# Altium PCB PCB2.PcbDoc (part 2 of 3) (continued)
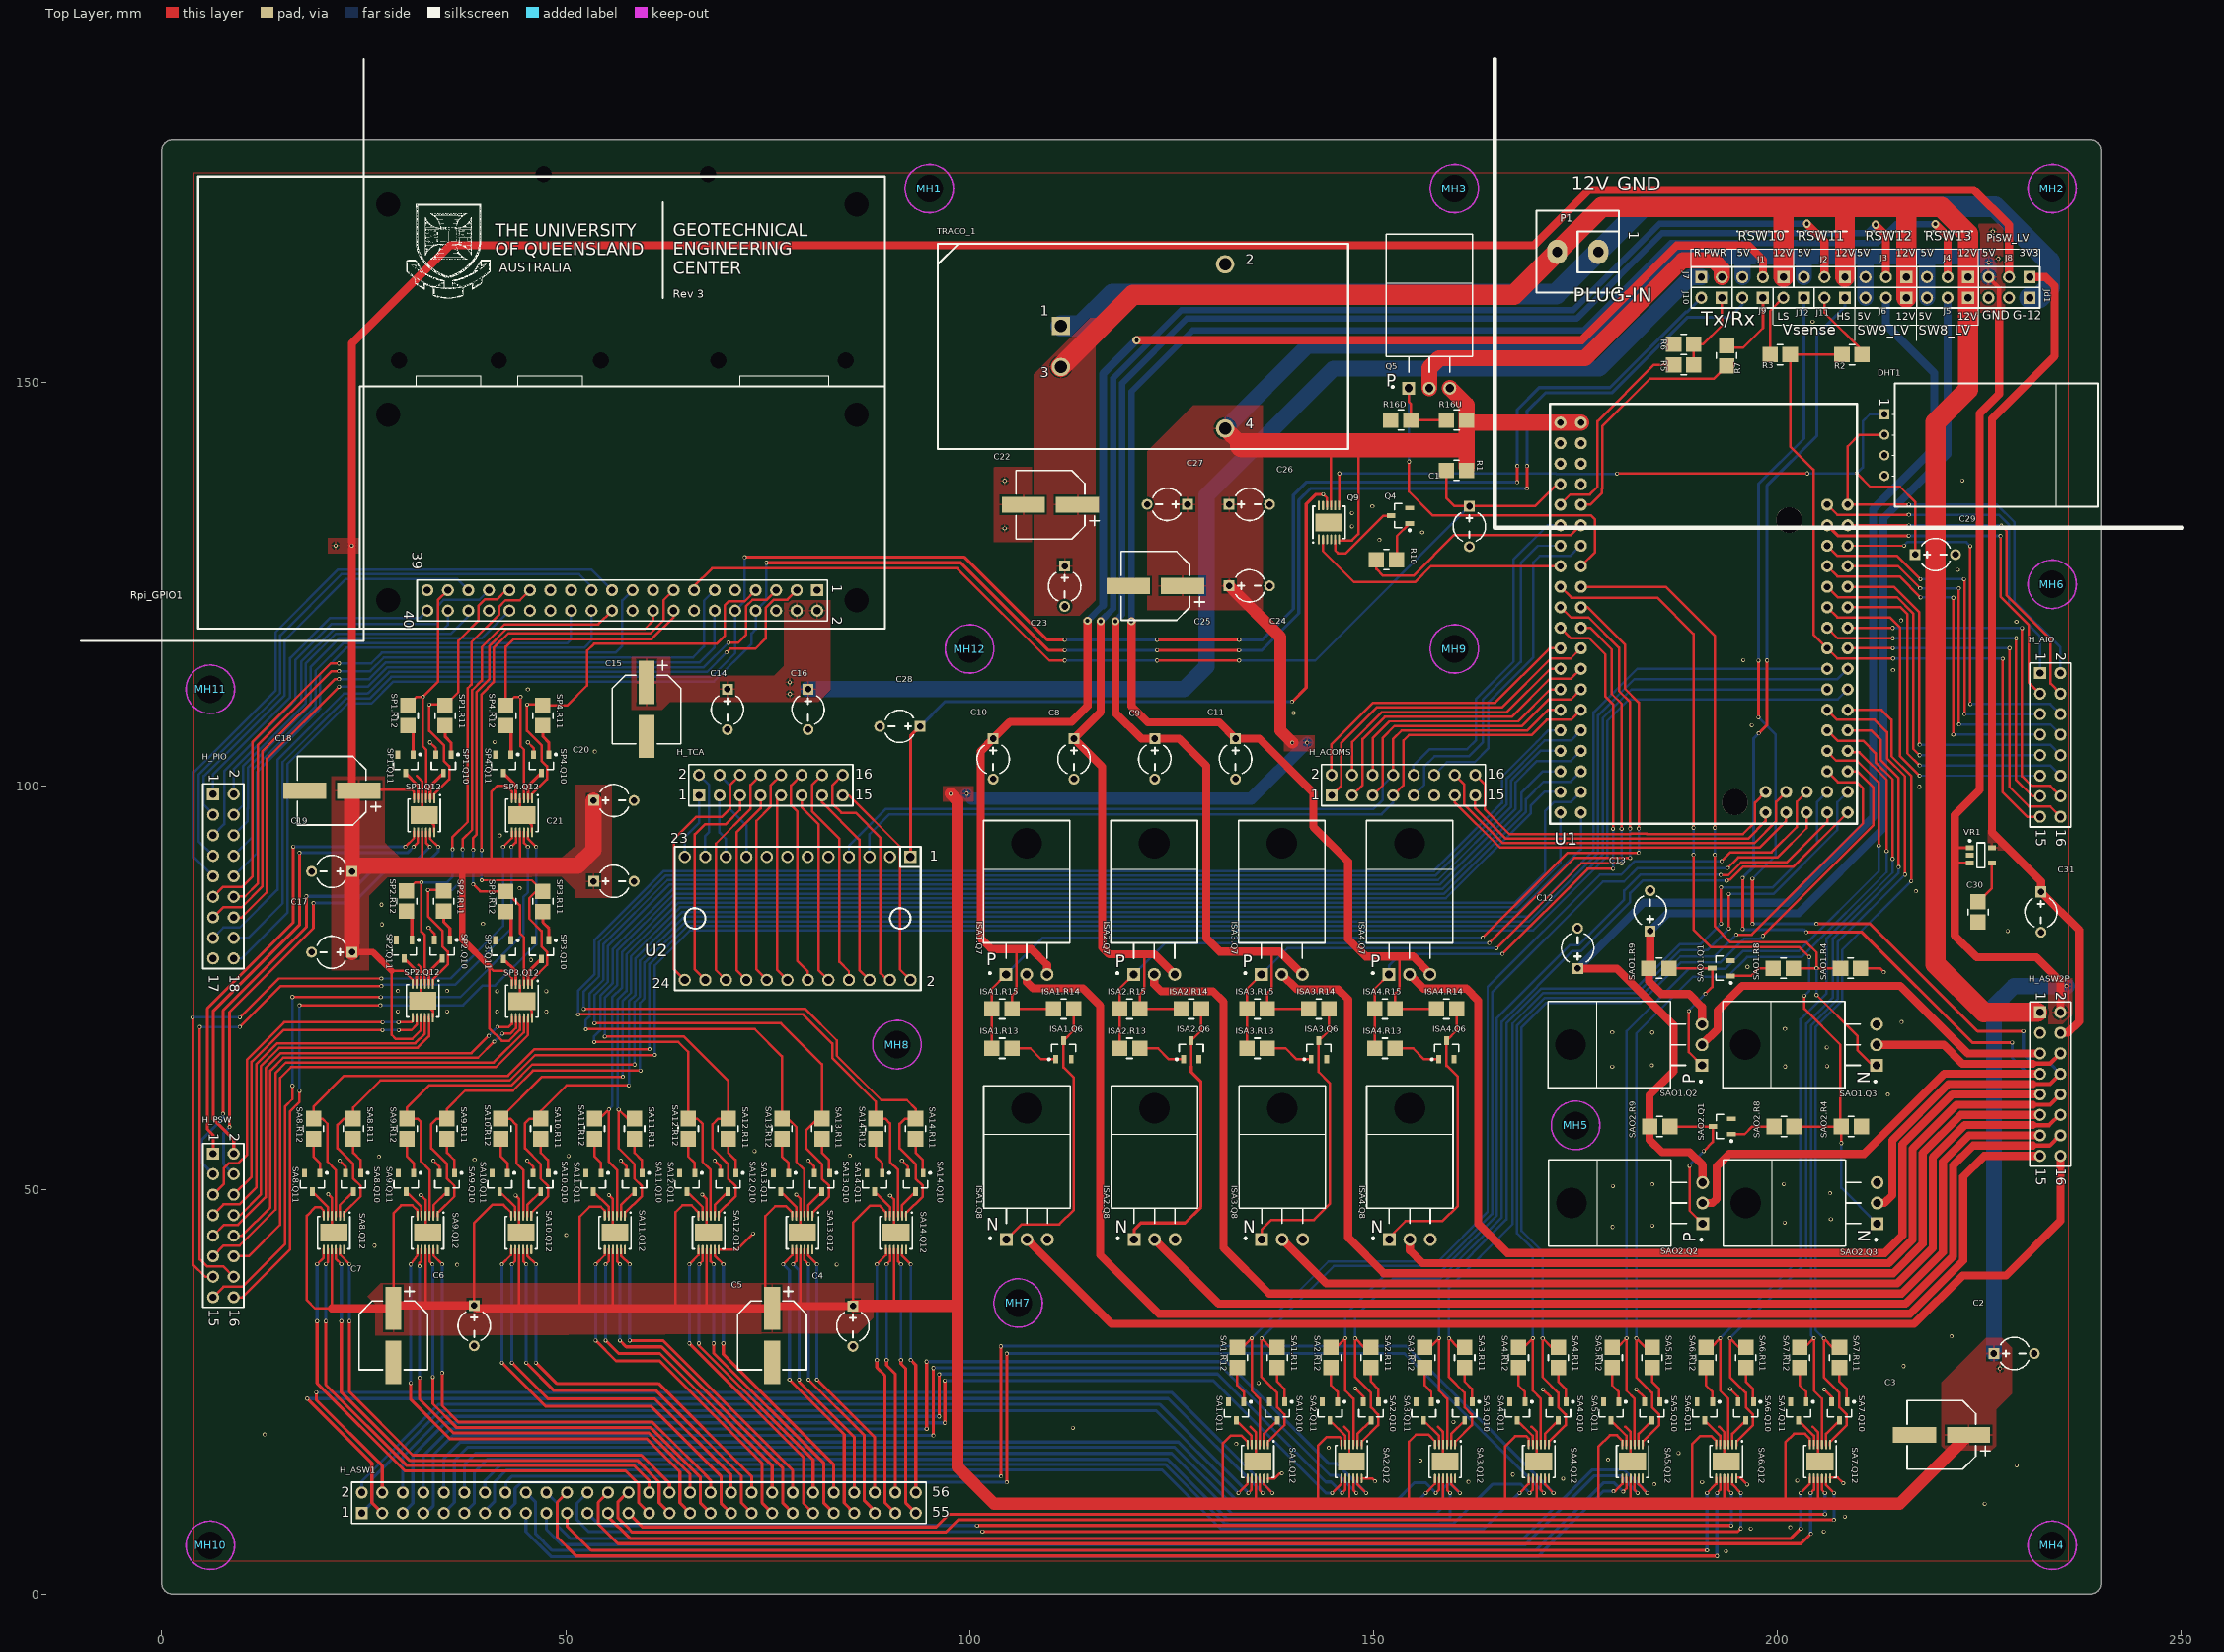
[diagram p0: Top Layer view]
## Nets (pads, with @x,y where several pads share a name; then routed paths per layer and width w, separated by ;. In a path a pad name is that pad's centre, name@x,y a point inside that pad or via, vN(x,y) a via of type N, cw(c..) or ccw(c..) an arc to the next point about the centre after c; other vN are vias at no path point) (continued)
  Bottom Layer w0.305: v1(52.49,69.9) 52.49,71.034 52.93,71.474 52.93,74.3 54.669,76.039 54.669,80.445 62.604,88.38 99.474,88.38 157.974,88.38 167.021,97.428 167.021,100.701 167.21,100.89 167.21,100.91 170.67,104.37 U1.D25@173.126,104.37
5V_SW26: SA13.Q12.1 SA13.R11.1 U1.D24 | length 194.9
  Top Layer w0.305: v1(53.56,70.647) 76.633,70.647 81.704,65.576 SA13.R11.1@81.704,58.837 81.207,58.837 79.756,57.386 79.756,55.155 81.704,53.207 81.704,51.41 82.604,50.51 82.604,49.21 80.54,47.146 SA13.Q12.1@80.54,46.71
  Bottom Layer w0.305: v1(53.56,70.647) 53.56,74.13 55.228,75.798 55.228,80.213 62.835,87.821 99.705,87.821 158.205,87.821 167.58,97.196 167.58,100.47 170.22,103.11 174.406,103.11 U1.D24@175.666,104.37
5V_SW27: SA14.Q12.3 SA14.R12.1 U1.D23 | length 200.7
  Top Layer w0.305: v1(51.54,71.74) 79.39,71.74 83.001,68.129 83.001,66.389 83.02,66.37 83.02,66.3 88.369,60.951 SA14.R12.1@88.369,58.837 89.553,58.837 90.144,58.246 90.144,53.468 91.14,52.471 SA14.Q12.3@91.14,46.71
  Bottom Layer w0.305: v1@51.574,71.754 51.574,74.714 53.549,76.689 53.549,80.909 62.14,89.5 99.01,89.5 157.46,89.5 165.891,97.931 165.891,101.171 166.092,101.373 170.207,105.488 171.63,106.91 U1.D23@173.126,106.91
5V_SW28: SA14.Q12.1 SA14.R11.1 U1.D22 | length 207.7
  Top Layer w0.305: v1(52.23,72.41) 79.67,72.41 83.56,68.52 83.56,66.621 89.051,61.13 92.23,61.13 93.34,60.02 93.34,58.873 SA14.R11.1@93.304,58.837 92.007,58.837 91.34,58.17 91.34,55.171 93.304,53.207 93.304,51.41 94.204,50.51 94.204,49.21 92.14,47.146 SA14.Q12.1@92.14,46.71
  Bottom Layer w0.305: v1@52.24,72.41 52.24,74.59 54.108,76.457 54.108,76.688 54.11,76.69 54.11,80.676 62.372,88.939 99.242,88.939 157.692,88.939 166.45,97.696 166.45,100.94 166.651,101.141 170.439,104.929 171.17,105.66 174.416,105.66 U1.D22@175.666,106.91
12V: C22.1 C23.1 H_ASW2P.1 J1.1 J2.1 J3.1 J4.1 J5.1 J6.1 P1.2 TRACO_1.3 | length 257.8
  Top Layer w2.4: 225.521,71.999 H_ASW2P.1@232.17,71.999
  Top Layer w2.5: TRACO_1.3@111.294,151.91 120.197,160.813 167.369,160.813 178.266,171.71 200.544,171.71 ; J1.1@200.723,163.02 200.723,171.53 200.544,171.71 ; J2.1@208.343,163.03 208.343,171.59 208.464,171.71 ; J6.1@215.963,160.48 J3.1@215.963,163.03 215.963,171.59 215.844,171.71 ; 225.521,71.999 219.58,77.94 219.58,145.08 223.583,149.083 J5.1@223.583,160.48 J4.1@223.583,163.03 223.583,168.387 220.26,171.71 215.844,171.71 ; 200.544,171.71 208.464,171.71 ; 208.464,171.71 215.844,171.71
"A-RX <> P-TX": H_PIO.18 J9.2 Rpi_GPIO1.8 | length 259.6
  Top Layer w0.381: v1(74.844,127.66) 98.895,127.66 109.715,116.84 v1(111.76,116.84) ; v1(123.19,116.84) v1(133.35,116.84) ; v1(168.97,136.85) 168.98,136.86 v1(168.98,139.65)
  Bottom Layer w0.305: H_PIO.18@8.89,78.68 9.89,78.68 15.54,84.33 15.54,102.736 23.054,110.25 25.956,110.25 28.656,112.95 68.34,112.95 73,117.61 73,118.91 73.51,119.42 Rpi_GPIO1.8@73.51,121.73 74.84,123.06 v1@74.84,127.66
  Bottom Layer w0.381: v1(111.76,116.84) v1(123.19,116.84) v1@123.118,116.912 ; v1(133.35,116.84) 136.184,116.84 140.74,121.396 140.74,135.4 142.19,136.85 v1(168.97,136.85) ; v1(168.98,139.65) 168.98,146.4 168.97,146.41 171.252,148.692 179.494,148.692 188.882,158.08 194.13,158.08 195.643,159.593 J9.2@195.643,160.48
"A-TX <> P-RX": H_PIO.16 J10.2 Rpi_GPIO1.10 | length 253.1
  Top Layer w0.305: v1(167.77,137.64) v1@167.79,137.66
  Top Layer w0.381: v1(72.14,128.35) 74.552,128.35 74.556,128.355 75.132,128.355 75.136,128.35 99.36,128.35 109.6,118.11 v1(111.76,118.11) ; v1(123.19,118.11) v1(133.35,118.11) ; v1@167.79,137.66 v1(167.79,139.66)
  Bottom Layer w0.305: H_PIO.16@8.89,81.22 10.692,81.22 14.95,85.478 14.95,102.98 22.81,110.84 25.726,110.84 28.416,113.53 68.037,113.53 70.97,116.463 Rpi_GPIO1.10@70.97,121.73 72.15,122.91 v1@72.15,128.34
  Bottom Layer w0.381: v1(111.76,118.11) v1(123.19,118.11) ; v1(133.35,118.11) 136.23,118.11 140.07,121.95 140.07,136.05 141.66,137.64 v1(167.77,137.64) ; v1(167.79,139.66) 167.77,139.68 167.77,146.62 170.5,149.35 179.254,149.35 188.619,158.715 188.798,158.715 J10.2@190.563,160.48
A_RX0: R7.2 U1.RX@1 | length 30
  Top Layer w0.305: 175.666,134.85 176.82,134.85 178.28,136.31 178.28,136.83 178.289,136.839 178.289,144.549 184.18,150.44 192.074,150.44 R7.2@193.684,152.05
A_RX1: H_ACOMS.6 U1.D19 | length 30.3
  Top Layer w0.305: H_ACOMS.6@149.88,101.39 149.88,105.93 151.97,108.02 167.874,108.02 171.844,111.99 U1.D19@173.126,111.99
A_RX2: H_ACOMS.4 U1.D17 | length 33.6
  Top Layer w0.305: H_ACOMS.4@147.34,101.39 147.34,105.476 151.024,109.16 166.484,109.16 171.854,114.53 U1.D17@173.126,114.53
A_RX3: H_ACOMS.2 U1.D15 | length 37
  Top Layer w0.305: H_ACOMS.2@144.8,101.39 144.8,105.186 149.934,110.32 165.044,110.32 171.794,117.07 U1.D15@173.126,117.07
A_TX0: R5.1 U1.TX@1 | length 26
  Top Layer w0.305: 173.126,134.85 173.126,134.896 174.34,136.11 176.77,136.11 177.73,137.07 177.73,145.19 184.72,152.18 R5.1@187.144,152.18
A_TX1: H_ACOMS.5 U1.D18 | length 34.9
  Top Layer w0.305: H_ACOMS.5@149.864,98.85 H_ACOMS.5@149.88,98.85 ; H_ACOMS.5@150.094,98.85 H_ACOMS.5@149.88,98.85 ; U1.D18@175.666,111.99 174.4,110.724 171.638,110.724 168.374,107.46 152.59,107.46 151.134,106.004 151.134,100.104 H_ACOMS.5@149.88,98.85
A_TX2: H_ACOMS.3 U1.D16 | length 38.4
  Top Layer w0.305: H_ACOMS.3@147.324,98.85 H_ACOMS.3@147.34,98.85 ; H_ACOMS.3@147.584,98.85 H_ACOMS.3@147.34,98.85 ; U1.D16@175.666,114.53 175.634,114.53 174.424,113.32 171.834,113.32 167.104,108.59 151.4,108.59 148.634,105.824 148.634,100.144 H_ACOMS.3@147.34,98.85
A_TX3: H_ACOMS.1 U1.D14 | length 41.5
  Top Layer w0.305: H_ACOMS.1@144.8,98.85 146.004,100.054 146.004,105.39 150.364,109.75 165.864,109.75 171.924,115.81 174.406,115.81 U1.D14@175.666,117.07
AD0: DHT1.2 H_AIO.2 U1.A0 | length 55
  Top Layer w0.305: DHT1.2@213.234,143.51 210.112,143.51 208.686,142.084 U1.A0@208.686,134.85 208.696,134.86 v1(216.26,134.86)
  Bottom Layer w0.305: v1(216.26,134.86) 227.15,134.86 229.33,132.68 229.33,122.87 235.04,117.16 H_AIO.2@235.04,114
AD1: H_AIO.1 U1.A1 | length 43.2
  Top Layer w0.305: U1.A1@206.146,134.85 207.39,133.605 216.245,133.605 v1(216.25,133.61)
  Bottom Layer w0.305: v1(216.25,133.61) 227.41,133.61 228.67,132.35 228.67,122.4 232.494,118.576 H_AIO.1@232.494,114.3
AD2: H_AIO.4 U1.A2 | length 42.9
  Top Layer w0.305: U1.A2@208.686,132.31 216.23,132.31 v1(216.26,132.28) ; v1(227.7,132.24) 228.37,131.57 228.37,123.608 233.8,118.178 233.8,112.7 H_AIO.4@235.04,111.46
  Bottom Layer w0.305: v1(216.26,132.28) v1@227.66,132.28
  Bottom Layer w0.381: v1@227.66,132.28 v1(227.7,132.24)
AD3: H_AIO.3 U1.A3 | length 43.6
  Top Layer w0.305: v1(227.6,130.98) 227.6,123.48 231.09,119.99 231.09,112.87 H_AIO.3@232.5,111.46
  Top Layer w0.381: U1.A3@206.146,132.31 207.446,131.01 v1(216.24,131.01)
  Bottom Layer w0.381: v1(216.24,131.01) 227.57,131.01 v1(227.6,130.98)
AD4: H_AIO.6 U1.A4 | length 46.8
  Top Layer w0.305: U1.A4@208.686,129.77 215.63,129.77 v1(215.65,129.79) ; v1@223.86,110.18 v1(223.86,129.73)
  Bottom Layer w0.305: v1(215.65,129.79) 216.06,130.2 223.39,130.2 v1(223.86,129.73) ; v1(223.87,110.18) 233.78,110.18 H_AIO.6@235.04,108.92
AD5: H_AIO.5 U1.A5 | length 44.7
  Top Layer w0.305: U1.A5@206.146,129.77 207.416,128.5 214.81,128.5 v1(217.69,125.62) ; v1(223.144,108.92) v1@223.144,125.556
  Top Layer w0.381: v1(223.08,125.62) v1@223.144,125.556
  Bottom Layer w0.305: v1(217.69,125.62) v1(223.08,125.62) ; v1(223.144,108.92) H_AIO.5@232.5,108.92
AD6: H_AIO.8 U1.A6 | length 44.9
  Top Layer w0.305: U1.A6@208.686,127.23 214.93,127.23 v1(217.66,124.5) ; v1@222.45,107.63 v1(222.45,124.5)
  Bottom Layer w0.305: v1(217.66,124.5) v1(222.45,124.5) ; v1(222.46,107.63) 233.79,107.63 H_AIO.8@235.04,106.38
AD7: H_AIO.7 U1.A7 | length 44.9
  Top Layer w0.305: U1.A7@206.146,127.23 207.416,125.96 215.1,125.96 v1(217.7,123.36) ; v1(221.75,106.38) v1(221.75,123.33)
  Bottom Layer w0.305: v1(217.7,123.36) v1@221.76,123.36 ; v1@221.76,106.38 H_AIO.7@232.5,106.38
  Bottom Layer w0.381: v1(221.75,123.33) 221.75,123.35 v1@221.76,123.36
AD8: H_AIO.10 U1.A8 | length 44.6
  Top Layer w0.305: U1.A8@208.686,124.69 214.39,124.69 217.55,121.53 v1@217.55,105.13
  Bottom Layer w0.305: v1(217.58,105.13) 233.75,105.13 H_AIO.10@235.04,103.84
AD9: H_AIO.9 U1.A9 | length 44.9
  Top Layer w0.305: U1.A9@206.146,124.69 207.436,123.4 214.79,123.4 216.79,121.4 216.79,104.63 v1(217.58,103.84)
  Bottom Layer w0.305: v1(217.58,103.84) H_AIO.9@232.5,103.84 ; H_AIO.9@232.464,104.17 H_AIO.9@232.494,104.14
AD10: H_AIO.12 U1.A10 | length 45.1
  Top Layer w0.305: U1.A10@208.686,122.15 215.23,122.15 216.06,121.32 216.06,104.08 v1(217.58,102.56)
  Bottom Layer w0.305: v1(217.58,102.56) 233.78,102.56 H_AIO.12@235.04,101.3
AD11: H_AIO.11 U1.A11 | length 44.3
  Top Layer w0.305: U1.A11@206.146,122.15 207.406,120.89 213.91,120.89 215.18,119.62 215.18,103.7 v1(217.58,101.3)
  Bottom Layer w0.305: v1(217.58,101.3) H_AIO.11@232.5,101.3
AD12: H_AIO.14 U1.A12 | length 45.6
  Top Layer w0.305: U1.A12@208.686,119.61 208.696,119.6 v1@214.09,119.6 ; v1(230.27,119.57) 230.27,101.23 231.47,100.03 233.77,100.03 H_AIO.14@235.04,98.76
  Bottom Layer w0.305: v1(214.26,119.6) v1@230.24,119.6
  Bottom Layer w0.381: v1@230.24,119.6 v1(230.27,119.57)
AD13: H_AIO.13 U1.A13 | length 45.3
  Top Layer w0.305: U1.A13@206.146,119.61 207.436,118.32 v1(214.26,118.32) ; v1(229.54,118.32) 229.54,100.77 231.55,98.76 H_AIO.13@232.5,98.76
  Bottom Layer w0.305: v1(214.26,118.32) v1(229.54,118.32)
AD14: H_AIO.16 U1.A14 | length 45.1
  Top Layer w0.305: U1.A14@208.686,117.07 v1(214.27,117.07) ; v1(228.72,117.09) 228.72,99.876 231.116,97.48 233.78,97.48 H_AIO.16@235.04,96.22
  Bottom Layer w0.305: v1(214.27,117.07) v1@228.7,117.07
  Bottom Layer w0.381: v1@228.7,117.07 v1(228.72,117.09)
AD15: H_AIO.15 R2.1 R3.2 U1.A15 | length 89.4
  Top Layer w0.305: R2.1@207.974,153.43 R3.2@201.564,153.43 201.564,142.066 204.434,139.196 204.434,118.782 U1.A15@206.146,117.07 207.406,115.81 v1(214.3,115.81) ; v1(227.88,115.78) 227.88,99.23 230.89,96.22 H_AIO.15@232.5,96.22
  Bottom Layer w0.305: v1(214.3,115.81) 214.33,115.78 v1(227.88,115.78)
ard_scl_21: H_ACOMS.8 U1.D21 U2.7 | length 100.3
  Top Layer w0.305: H_ACOMS.8@152.404,101.39 152.404,105.834 153.45,106.88 168.994,106.88 171.564,109.45 U1.D21@173.126,109.45
  Bottom Layer w0.305: U2.7@85.054,91.25 85.054,92.614 89.59,97.15 149.96,97.15 151.134,98.324 151.134,100.104 H_ACOMS.8@152.42,101.39 ; H_ACOMS.8@152.13,101.39 H_ACOMS.8@152.404,101.39
ard_sda_20: H_ACOMS.7 U1.D20 U2.5 | length 101
  Top Layer w0.305: H_ACOMS.7@152.42,98.85 153.69,100.12 153.69,105.64 154.37,106.32 169.534,106.32 171.434,108.22 174.436,108.22 U1.D20@175.666,109.45
  Bottom Layer w0.305: U2.5@87.594,91.25 87.594,94.034 90.08,96.52 151,96.52 152.404,97.924 H_ACOMS.7@152.404,98.85
D02: R10.1 U1.D2 | length 29.4
  Top Layer w0.305: R10.1@150.344,128.05 150.344,126.88 151.164,126.06 154.94,126.06 159.98,131.1 174.456,131.1 U1.D2@175.666,132.31
D06: Q5.1 R16D.2 R16U.1 U1.D6 | length 52.5
  Top Layer w0.305: R16D.2@154.354,145.36 R16D.2@154.374,145.34 ; Q5.1@154.354,149.28 154.354,147.59 154.624,147.32 R16D.2@154.624,145.34 R16U.1@159.024,145.34 ; v1(154.384,140.19) 154.384,136.456 157.29,133.55 176.884,133.55 177.414,133.02 177.414,128.978 U1.D6@175.666,127.23
  Bottom Layer w0.305: Q5.1@154.354,149.28 154.504,149.28 154.344,149.12 154.384,149.08 v1(154.384,140.19)
D07: Q9.2 U1.D7 | length 33.3
  Top Layer w0.305: Q9.2@143.734,130.65 143.734,129.116 147.58,125.27 155.13,125.27 157.09,127.23 U1.D7@173.126,127.23
D08: SAO1.Q3.1 SAO1.R4.2 SAO1.R8.1 U1.D8 | length 92.2
  Top Layer w0.305: U1.D8@175.666,124.69 186.16,124.69 192.218,118.632 v1(192.218,94.859) ; v1(192.218,91.51) 192.218,82.642 194.19,80.67 203.58,80.67 204.83,79.42 v1(204.83,77.47) v1@204.83,77.456 ; SAO1.R8.1@201.973,77.456 v1@204.83,77.456 ; v1(204.83,74.14) 209.92,69.05 209.92,67.27 211.75,65.44 SAO1.Q3.1@212.25,65.44 ; SAO1.R4.2@207.793,77.456 v1@204.83,77.456
  Bottom Layer w0.305: v1@192.194,91.51 v1@192.218,91.534 ; v1(192.218,91.51) v1@192.218,91.534 ; v1(192.218,94.859) v1@192.218,91.534 ; v1(204.83,74.14) v1(204.83,77.47)
D09: SAO2.Q3.1 SAO2.R4.2 SAO2.R8.1 U1.D9 | length 114
  Top Layer w0.305: U1.D9@173.126,124.69 174.486,123.33 185.128,123.33 189.6,118.858 v1(189.6,94.859) ; v1(189.6,91.51) 189.6,82.25 191.79,80.06 202.71,80.06 v1(203.92,78.85) ; SAO2.R8.1@202.05,57.86 SAO2.R4.2@207.87,57.86 ; v1(203.32,74.07) 203.32,72.44 207.76,68 207.76,57.97 SAO2.R4.2@207.87,57.86 ; v1(207.9,55.82) 207.87,55.85 SAO2.R4.2@207.87,57.86
  Bottom Layer w0.305: v1(189.6,91.51) v1(189.6,94.859) ; v1(203.32,74.07) 203.92,74.67 v1(203.92,78.85) ; v1(207.9,55.82) 207.9,50.271 SAO2.Q3.1@212.327,45.844
GND: C1.2 C2.2 C3.2 C4.2 C5.2 C6.2 C7.2 C8.2 C9.2 C10.2 C11.2 C12.2 C13.2 C14.2 C15.2 C16.2 C17.2 C18.2 C19.2 C20.2 C21.2 C24.2 C25.2 C26.2 C27.2 C28.2 C29.2 C30.2 C31.2 DHT1.4 H_ACOMS.11 H_ASW2P.3 H_PIO.17 ISA1.Q6.2 ISA1.Q8.3 ISA2.Q6.2 ISA2.Q8.3 ISA3.Q6.2 ISA3.Q8.3 ISA4.Q6.2 ISA4.Q8.3 Jd1.2 Jd1.3 Q4.2 Q9.13 R6.2 R16D.1 Rpi_GPIO1.6 Rpi_GPIO1.9 Rpi_GPIO1.14 Rpi_GPIO1.20 Rpi_GPIO1.25 Rpi_GPIO1.30 Rpi_GPIO1.34 Rpi_GPIO1.39 SA1.Q10.2 SA1.Q11.2 SA1.Q12.4 SA1.Q12.12 SA1.Q12.13 SA2.Q10.2 SA2.Q11.2 SA2.Q12.4 SA2.Q12.12 SA2.Q12.13 SA3.Q10.2 SA3.Q11.2 SA3.Q12.4 SA3.Q12.12 SA3.Q12.13 SA4.Q10.2 SA4.Q11.2 SA4.Q12.4 SA4.Q12.12 SA4.Q12.13 SA5.Q10.2 SA5.Q11.2 SA5.Q12.4 SA5.Q12.12 SA5.Q12.13 SA6.Q10.2 SA6.Q11.2 SA6.Q12.4 SA6.Q12.12 SA6.Q12.13 SA7.Q10.2 SA7.Q11.2 SA7.Q12.4 SA7.Q12.12 SA7.Q12.13 SA8.Q10.2 SA8.Q11.2 SA8.Q12.4 SA8.Q12.12 SA8.Q12.13 SA9.Q10.2 SA9.Q11.2 SA9.Q12.4 SA9.Q12.12 SA9.Q12.13 SA10.Q10.2 SA10.Q11.2 SA10.Q12.4 SA10.Q12.12 SA10.Q12.13 SA11.Q10.2 SA11.Q11.2 SA11.Q12.4 SA11.Q12.12 SA11.Q12.13 SA12.Q10.2 SA12.Q11.2 SA12.Q12.4 SA12.Q12.12 SA12.Q12.13 SA13.Q10.2 SA13.Q11.2 SA13.Q12.4 SA13.Q12.12 SA13.Q12.13 SA14.Q10.2 SA14.Q11.2 SA14.Q12.4 SA14.Q12.12 SA14.Q12.13 SAO1.Q1.2 SAO1.Q3.3 SAO1.R4.1 SAO2.Q1.2 SAO2.Q3.3 SAO2.R4.1 SP1.Q10.2 SP1.Q11.2 SP1.Q12.4 SP1.Q12.12 SP1.Q12.13 SP2.Q10.2 SP2.Q11.2 SP2.Q12.4 SP2.Q12.12 SP2.Q12.13 SP3.Q10.2 SP3.Q11.2 SP3.Q12.4 SP3.Q12.12 SP3.Q12.13 SP4.Q10.2 SP4.Q11.2 SP4.Q12.4 SP4.Q12.12 SP4.Q12.13 TRACO_1.2 U1.GND@1 U1.GND@2 U2.3 VR1.2 | length 136
  Top Layer w0.305: v1(20.6,49.48) 21.04,49.04 SA8.Q12.4@21.04,46.81 21.04,44.96 SA8.Q12.13@21.29,44.71 ; v1(22.024,53.634) 22.754,52.903 SA8.Q10.2@22.754,52.101 ; 31.555,101.29 32.218,100.628 SP1.Q12.4@32.218,98.486 32.218,96.636 33.718,95.136 SP1.Q12.12@33.718,94.386 ; 31.754,77.882 32.054,77.582 SP2.Q12.4@32.054,75.527 32.054,73.677 SP2.Q12.13@32.304,73.427 33.554,72.177 SP2.Q12.12@33.554,71.427 ; v1(32.06,49.37) 32.64,48.79 SA9.Q12.4@32.64,46.81 32.64,44.96 SA9.Q12.13@32.89,44.71 ; v1(33.034,82.46) 33.754,81.74 SP2.Q10.2@33.754,80.957 ; v1(33.198,105.419) 33.918,104.699 SP1.Q10.2@33.918,103.916 ; v1(33.624,53.634) 34.354,52.903 SA9.Q10.2@34.354,52.101 ; v1(43.8,49.33) 44.24,48.89 SA10.Q12.4@44.24,46.81 44.24,44.96 SA10.Q12.13@44.49,44.71 ; SP3.Q12.4@44.328,75.387 44.328,73.637 SP3.Q12.13@44.578,73.387 45.828,72.137 SP3.Q12.12@45.828,71.387 ; SP4.Q12.4@44.328,98.386 44.328,96.636 SP4.Q12.13@44.578,96.386 45.828,95.136 SP4.Q12.12@45.828,94.386 ; v1(45.224,53.634) 45.954,52.903 SA10.Q10.2@45.954,52.101 ; v1(45.308,105.419) 46.028,104.699 SP4.Q10.2@46.028,103.916 ; v1(55.339,49.37) 55.84,48.869 SA11.Q12.4@55.84,46.81 55.84,44.96 SA11.Q12.13@56.09,44.71 ; v1(56.824,53.634) 57.554,52.903 SA11.Q10.2@57.554,52.101 ; v1(66.9,49.43) 67.44,48.89 SA12.Q12.4@67.44,46.81 67.44,44.96 SA12.Q12.13@67.69,44.71 ; v1(68.424,53.634) 69.154,52.903 SA12.Q10.2@69.154,52.101 ; SA12.Q12.12@68.94,42.61 71.18,42.61 v1(73.19,44.62) ; v1(78.54,49.43) 79.04,48.93 SA13.Q12.4@79.04,46.81 79.04,44.96 SA13.Q12.13@79.29,44.71 ; v1(80.024,53.634) 80.754,52.903 SA13.Q10.2@80.754,52.101 ; v1(90.157,49.31) 90.64,48.827 SA14.Q12.4@90.64,46.81 90.64,44.96 SA14.Q12.13@90.89,44.71 ; v1(91.624,53.634) 92.354,52.903 SA14.Q10.2@92.354,52.101 ; 134.746,20.699 135.404,20.041 SA1.Q12.4@135.404,18.483 135.404,16.633 SA1.Q12.13@135.654,16.383 ; SA1.Q12.12@136.904,14.283 137.777,14.283 138.404,14.91 v1(138.65,14.91) ; 146.346,20.699 147.004,20.041 SA2.Q12.4@147.004,18.483 147.004,16.633 SA2.Q12.13@147.254,16.383 ; v1(147.73,25.42) 148.718,24.432 SA2.Q10.2@148.718,23.774 ; SA2.Q12.12@148.504,14.283 149.817,14.283 v1(150.17,13.93) ; 157.946,20.699 158.545,20.1 ; 158.545,20.044 158.545,20.1 ; SA3.Q12.13@158.854,16.383 158.604,16.633 SA3.Q12.4@158.604,18.483 158.604,20.041 158.545,20.1 ; 169.546,20.699 170.204,20.041 SA4.Q12.4@170.204,18.483 170.204,16.633 SA4.Q12.13@170.454,16.383 ; v1(170.97,25.32) 171.918,24.372 SA4.Q10.2@171.918,23.774 ; 181.146,20.699 181.804,20.041 SA5.Q12.4@181.804,18.483 181.804,16.633 SA5.Q12.13@182.054,16.383 ; v1(182.52,25.32) 183.518,24.322 SA5.Q10.2@183.518,23.774 ; 192.746,20.699 193.404,20.041 SA6.Q12.4@193.404,18.483 193.404,16.633 SA6.Q12.13@193.654,16.383 ; v1(194.14,25.383) 195.118,24.405 SA6.Q10.2@195.118,23.774 ; SAO2.Q1.2@194.29,58.81 SAO2.Q1.2@194.461,58.81 ; SA6.Q12.12@194.904,14.383 195.377,14.383 v1(196.23,13.53) ; 204.346,20.699 205.004,20.041 SA7.Q12.4@205.004,18.483 205.004,16.633 SA7.Q12.13@205.254,16.383 ; v1(205.797,25.3) 206.718,24.379 SA7.Q10.2@206.718,23.774 ; v1@206.09,65.28 v1(206.13,65.32) ; SA7.Q12.12@206.504,14.383 207.457,14.383 v1(208.15,13.69) ; SAO1.R4.1@210.293,77.456 212.684,77.456 v1(213.16,76.98)
  other v1: 193.6,5.27 205.72,7.72 196.69,8.08 201.57,8.25 208.32,9.55 225.64,11.14 184.75,13.56 190.66,13.825 161.75,13.86 202.44,14.02 173.46,14.25 167.23,14.76 229.58,15.9 155.79,16.5 179.02,16.61 187.73,17.44 144.44,18.07 133,18.56 12.74,19.73 112.77,20.55 159.87,21.28 135.75,26.1 215.59,28.2 221.52,31.88 36.554,40.75 83.55,40.767 26.32,43.11 50.05,44.42 179.589,45.43 184.51,45.6 200.88,45.97 206.6,46.4 206.49,49.6 179.62,50.49 184.51,50.71 200.77,50.72 38.71,53.757 26.88,54.12 50.33,54.2 85.17,54.24 73.379,54.81 213.66,61.81 179.533,65.26 200.931,65.28 184.44,65.44 206.09,67.64 184.48,69.5 179.533,69.514 200.92,69.95 215.36,70.79 41.508,72.07 47.587,72.07 29.234,72.11 35.314,72.11 41.508,74.61 47.587,74.61 29.234,74.65 35.314,74.65 45.699,78.48 228.5,82.06 27.24,82.881 39.75,82.949 27.2,85.32 217.13,86.99 44.29,87.347 41.84,93.9 217.56,99.93 53.604,104.27 41.21,105.46 196.8,107.54 140.09,109.06 45.308,111.97 214.3,114.35 195.77,115.62 229.57,120.36 215.287,120.54 222.3,126.78 150.72,130.48 156.02,131.42 147.334,132.173 147.324,133.813 149.85,134.64 222.86,137.84 204.34,157.52
GND-12V: C22.2 C23.2 Jd1.1 P1.1 TRACO_1.1 | length 137.5
  Bottom Layer w2.6: TRACO_1.1@111.294,156.99 113.74,156.99 117.67,160.92 172.556,160.92 P1.1@177.804,166.168 183.366,171.73 226.918,171.73 233.674,164.974 233.674,161.78 232.374,160.48 Jd1.1@231.203,160.48
  other v1: 104.33,131.92 104.33,137.8
HS_I2C_SW: C28.1 Q9.10 U2.1 | length 93.4
  Top Layer w0.305: v1(143.764,136.14) 144.234,135.67 144.234,134.865 Q9.10@144.234,134.65
  Top Layer w0.381: U2.1@92.674,91.25 92.674,106.21 C28.1@93.863,107.4 ; v1(139.91,110.45) 141.66,112.2 141.66,134.93 142.87,136.14 v1(143.764,136.14)
  Bottom Layer w0.381: C28.1@93.863,107.4 96.913,110.45 v1(139.91,110.45)
INV_5V12V_HS_1: H_ASW2P.15 ISA1.Q7.2 | length 175.7
  Top Layer w1: ISA1.Q7.2@107.044,76.693 107.044,75.736 107.83,74.95 114.01,74.95 116.15,72.81 116.15,41.95 123.427,34.673 216.394,34.673 222.974,41.253 222.974,51.624 225.57,54.22 H_ASW2P.15@232.5,54.22
INV_5V12V_HS_2: H_ASW2P.13 ISA2.Q7.2 | length 159.3
  Top Layer w1: ISA2.Q7.2@122.844,76.693 122.844,75.456 123.7,74.6 130.108,74.6 131.41,73.298 131.41,42.85 137.079,37.181 215.355,37.181 220.466,42.292 220.466,53.529 223.706,56.769 H_ASW2P.13@232.5,56.769
INV_5V12V_HS_3: H_ASW2P.11 ISA3.Q7.2 | length 141.2
  Top Layer w1: ISA3.Q7.2@138.644,76.693 140.507,74.83 145.62,74.83 146.86,73.59 146.86,44.09 151.261,39.689 214.316,39.689 217.958,43.331 217.958,54.568 222.69,59.3 H_ASW2P.11@232.5,59.3
INV_5V12V_HS_4: H_ASW2P.9 ISA4.Q7.2 | length 123.5
  Top Layer w1: ISA4.Q7.2@154.444,76.693 156.194,74.943 161.467,74.943 162.95,73.46 162.95,45.8 166.553,42.197 213.277,42.197 215.45,44.37 215.45,55.643 221.626,61.819 H_ASW2P.9@232.5,61.819
  Bottom Layer w0.5: ISA4.Q7.2@154.444,76.436 ISA4.Q7.2@154.444,76.693
INV_5V12V_LS_1: H_ASW2P.16 ISA1.Q8.2 | length 145.7
  Top Layer w1: ISA1.Q8.2@107.084,43.873 117.538,33.419 216.913,33.419 222.924,39.43 228.29,39.43 235.034,46.174 H_ASW2P.16@235.034,54.33
INV_5V12V_LS_2: H_ASW2P.14 ISA2.Q8.2 | length 130.7
  Top Layer w0.5: 231.61,55.506 233.67,55.506 H_ASW2P.14@235.034,56.87
  Top Layer w1: ISA2.Q8.2@122.884,43.873 130.83,35.927 215.874,35.927 221.72,41.773 221.72,53.01 224.216,55.506 231.61,55.506
INV_5V12V_LS_3: H_ASW2P.12 ISA3.Q8.2 | length 114.1
  Top Layer w0.5: 231.61,58.019 233.643,58.019 H_ASW2P.12@235.034,59.41
  Top Layer w0.8: H_ASW2P.12@235.034,59.204 H_ASW2P.12@235.034,59.41
  Top Layer w1: ISA3.Q8.2@138.684,43.873 144.122,38.435 214.835,38.435 219.212,42.812 219.212,54.049 223.192,58.029 231.61,58.029
INV_5V12V_LS_4: H_ASW2P.10 ISA4.Q8.2 | length 97.8
  Top Layer w0.5: 231.61,60.554 233.754,60.554 H_ASW2P.10@235.04,61.84
  Top Layer w1: ISA4.Q8.2@154.484,43.873 154.484,42.506 156.047,40.943 213.796,40.943 216.704,43.851 216.704,55.124 222.139,60.559 231.61,60.559
MISO: H_ACOMS.13 U1.D50 | length 46.7
  Top Layer w0.305: H_ACOMS.13@160.04,98.85 160.04,98.01 165.669,92.381 182.513,92.381 182.548,92.416 183.092,92.416 183.127,92.381 197.361,92.381 197.41,92.43 197.81,92.43 201.066,95.686 U1.D50@201.066,96.75
MOSI: H_ACOMS.14 U1.D51 | length 50.1
  Top Layer w0.305: H_ACOMS.14@160.04,101.39 161.23,100.2 161.23,97.7 165.99,92.94 182.281,92.94 182.317,92.975 183.323,92.975 183.359,92.94 197.13,92.94 199.85,95.66 199.85,98.074 U1.D51@201.066,99.29
NetC8_1: C8.1 ISA2.Q7.3 ISA2.R14.2 ISA2.R15.2 J2.2 | length 197.7
  Top Layer w0.305: 121.61,79.19 121.61,74.76 121.054,74.204 ISA2.R15.2@121.054,72.423 ISA2.R14.2@126.174,72.423
  Top Layer w1: v2(116.224,120.43) 116.224,109.19 C8.1@112.914,105.88 116.41,102.384 116.41,80.054 117.274,79.19 121.61,79.19 122.887,79.19 ISA2.Q7.3@125.384,76.693 ; v2(203.624,169.63) 205.803,167.45 J2.2@205.803,163.03
  Bottom Layer w0.8: v2(116.224,120.43) 117.77,121.976 117.77,150.51 126.21,158.95 174.72,158.95 185.4,169.63 v2(203.624,169.63)
NetC9_1: C9.1 ISA3.Q7.3 ISA3.R14.2 ISA3.R15.2 J3.2 | length 211
  Top Layer w0.305: 137.39,79.53 137.39,74.93 136.854,74.394 ISA3.R15.2@136.854,72.423 ISA3.R14.2@141.974,72.423
  Top Layer w1: v2(118.064,120.43) 118.064,109.076 121.26,105.88 C9.1@122.914,105.88 125.92,105.88 129.274,102.526 129.274,81.176 130.92,79.53 137.39,79.53 138.347,79.53 ISA3.Q7.3@141.184,76.693 ; v2(212.134,169.51) 213.423,168.22 J3.2@213.423,163.03
  Bottom Layer w0.8: v2(118.064,120.43) 118.897,121.263 118.897,149.913 126.88,157.896 175.157,157.896 185.721,168.46 211.084,168.46 v2(212.134,169.51)
NetC10_1: C10.1 ISA1.Q7.3 ISA1.R14.2 ISA1.R15.2 J1.2 | length 195.4
  Top Layer w0.305: 105.58,79.83 105.81,79.6 105.81,74.68 105.254,74.124 ISA1.R15.2@105.254,72.423 ISA1.R14.2@110.374,72.423
  Top Layer w1: ISA1.Q7.3@109.584,76.693 109.584,77.866 107.62,79.83 105.58,79.83 102.68,79.83 101.35,81.16 101.35,104.316 C10.1@102.914,105.88 104.994,107.96 112.63,107.96 114.584,109.914 v2(114.584,120.49) ; v2(120.65,155.22) 175.764,155.22 187.494,166.95 196.404,166.95 198.183,165.17 J1.2@198.183,163.02
  Bottom Layer w0.8: v2(114.584,120.49) 116.5,122.406
  Bottom Layer w1: 116.5,122.406 116.5,151.07 v2(120.65,155.22)
NetC11_1: C11.1 ISA4.Q7.3 ISA4.R14.2 ISA4.R15.2 J4.2 | length 224.9
  Top Layer w0.305: 153.19,78.916 153.19,74.88 152.654,74.344 ISA4.R15.2@152.654,72.423 ISA4.R14.2@157.774,72.423
  Top Layer w1: v2(120.024,120.43) 120.024,109.916 122.05,107.89 130.904,107.89 C11.1@132.914,105.88 135.853,105.88 142.55,99.183 142.55,94.97 146.85,90.67 146.85,81.07 149.004,78.916 153.19,78.916 154.878,78.916 156.984,76.81 ISA4.Q7.3@156.984,76.693 ; v2(219.524,169.58) 221.043,168.06 J4.2@221.043,163.03
  Bottom Layer w0.8: v2(120.024,120.43) 120.024,148.874 127.6,156.45 176.02,156.45 186.817,167.247 212.347,167.247 214.68,169.58 v2(219.524,169.58)
NetC12_1: C12.1 J6.2 SAO2.Q2.3 SAO2.R9.2 | length 154.5
  Top Layer w1: C12.1@175.26,77.42 180.12,77.42 187.13,70.41 187.13,64.712 184.159,61.74 SAO2.R9.2@184.159,57.86 184.159,56.23 185.709,54.68 189.119,54.68 190.725,53.073 SAO2.Q2.3@190.725,50.924
  Bottom Layer w1: C12.1@175.26,77.42 183.41,85.57 201.21,85.57 211.81,96.17 211.81,134.29 219.41,141.89 219.41,151.14 213.423,157.127 J6.2@213.423,160.48
NetC13_1: C13.1 J5.2 SAO1.Q2.3 SAO1.R9.2 | length 119.5
  Top Layer w1: C13.1@184.23,82.07 184.23,77.605 SAO1.R9.2@184.081,77.456 184.081,75.826 185.631,74.276 189.041,74.276 190.648,72.67 SAO1.Q2.3@190.648,70.52
  Bottom Layer w1: C13.1@184.23,82.07 186.43,84.27 202.59,84.27 213.08,94.76 213.08,133.14 221.043,141.103 J5.2@221.043,160.48
NetC17_1: C17.1 C18.1 C19.1 C20.1 C21.1 J8.2 SP1.Q12.6 SP1.Q12.9 SP2.Q12.6 SP2.Q12.9 SP3.Q12.6 SP3.Q12.9 SP4.Q12.6 SP4.Q12.9 | length 419.9
  Top Layer w0.305: C18.1@23.538,99.441 23.628,99.53 30.968,99.53 31.218,99.28 SP1.Q12.6@31.218,98.386 ; SP2.Q12.6@31.054,75.427 31.08,75.454 31.08,75.994 29.934,77.14 28.454,77.14 28.454,69.206 28.93,68.73 31.02,68.73 32.054,69.764 SP2.Q12.9@32.054,71.427 ; 32.218,90.21 SP1.Q12.9@32.218,94.386 ; 40.748,90.17 40.775,90.197 40.775,99.281 41.514,100.02 42.664,100.02 43.354,99.33 43.354,98.413 SP4.Q12.6@43.328,98.386 ; SP3.Q12.6@43.328,75.387 43.354,75.414 43.354,76.22 42.444,77.13 41.084,77.13 40.54,77.674 40.54,70.04 42.09,68.49 42.99,68.49 44.328,69.828 SP3.Q12.9@44.328,71.387 ; 44.294,90.17 44.354,90.23 44.354,94.359 SP4.Q12.9@44.328,94.386
  Top Layer w0.8: C17.1@23.538,79.441 26.153,79.441 28.454,77.14 ; 37.21,90.17 37.21,81.004 40.54,77.674
  Top Layer w1: C18.1@23.538,99.441 23.538,129.755 v1(23.514,129.78) 23.514,154.84 35.664,166.99 169.834,166.99 176.664,173.82 224.314,173.82 228.663,169.47 J8.2@228.663,163.03 ; C20.1@53.45,98.221 C20.1@53.477,98.247
  Top Layer w2: C17.1@23.538,79.441 C19.1@23.538,89.441 ; C18.1@23.538,99.441 C19.1@23.538,89.441 ; C20.1@53.45,98.221 53.45,92.12 51.501,90.17 44.294,90.17 40.748,90.17 37.21,90.17 24.268,90.17 C19.1@23.538,89.441
  other v1: 21.514,129.78
NetC29_1: C29.1 DHT1.1 Q9.7 | length 93.2
  Top Layer w0.305: v1(145.75,138.72) 145.765,138.705 Q9.7@145.765,134.65 ; v1(180.13,138.7) 203.66,138.7 v1(203.68,138.72) ; v1(209.8,138.73) 211.46,137.07 215.15,137.07 217.03,135.19 C29.1@217.03,128.68
  Bottom Layer w0.305: v1(145.75,138.72) 145.77,138.7 172.596,138.7 172.61,138.685 180.115,138.685 v1(180.13,138.7) ; v1(203.68,138.72) 203.71,138.75 203.73,138.73 v1(209.8,138.73) 210.55,139.48 210.55,145.17 211.43,146.05 DHT1.1@213.234,146.05
NetC30_1: C30.1 VR1.4 | length 5.5
  Top Layer w0.305: C30.1@224.83,85.67 226.545,87.385 VR1.4@226.545,90.49
NetISA1.Q6_1: ISA1.Q6.1 ISA1.R13.2 | length 6
  Top Layer w0.305: ISA1.R13.2@105.254,67.543 107.504,67.543 108.854,66.193 ISA1.Q6.1@110.674,66.193
NetISA1.Q6_3: ISA1.Q6.3 ISA1.Q8.1 ISA1.R14.1 | length 35.8
  Top Layer w0.305: ISA1.Q8.1@104.544,43.873 106.421,45.75 111.1,45.75 112.9,47.55 112.9,63.908 111.624,65.184 ISA1.Q6.3@111.624,68.493 112.874,69.743 ISA1.R14.1@112.874,72.423
NetISA2.Q6_1: ISA2.Q6.1 ISA2.R13.2 | length 6
  Top Layer w0.305: ISA2.R13.2@121.054,67.543 123.304,67.543 124.654,66.193 ISA2.Q6.1@126.474,66.193
NetISA2.Q6_3: ISA2.Q6.3 ISA2.Q8.1 ISA2.R14.1 | length 36.2
  Top Layer w0.305: 127.424,65.284 ISA2.Q6.3@127.424,68.493 128.674,69.743 ISA2.R14.1@128.674,72.423
  Top Layer w0.381: ISA2.Q8.1@120.344,43.873 120.344,45.074 121.19,45.92 126.66,45.92 128.63,47.89 128.63,63.39 127.424,64.596 127.424,65.284
NetISA3.Q6_1: ISA3.Q6.1 ISA3.R13.2 | length 6
  Top Layer w0.305: ISA3.R13.2@136.854,67.543 139.104,67.543 140.454,66.193 ISA3.Q6.1@142.274,66.193
NetISA3.Q6_3: ISA3.Q6.3 ISA3.Q8.1 ISA3.R14.1 | length 36.2
  Top Layer w0.305: ISA3.Q8.1@136.144,43.873 136.144,45.086 137.368,46.31 142.61,46.31 144.58,48.28 144.58,63.22 143.18,64.62 143.18,68.449 ISA3.Q6.3@143.224,68.493 144.474,69.743 ISA3.R14.1@144.474,72.423
NetISA4.Q6_1: ISA4.Q6.1 ISA4.R13.2 | length 6
  Top Layer w0.305: ISA4.R13.2@152.654,67.543 154.904,67.543 156.254,66.193 ISA4.Q6.1@158.074,66.193
NetISA4.Q6_3: ISA4.Q6.3 ISA4.Q8.1 ISA4.R14.1 | length 35.9
  Top Layer w0.305: ISA4.Q8.1@151.944,43.873 151.944,44.144 153.94,46.14 158.51,46.14 160.42,48.05 160.42,64.01 159.076,65.354 159.024,65.354 ISA4.Q6.3@159.024,68.493 160.274,69.743 ISA4.R14.1@160.274,72.423